# Altium PCB BE200.PcbDoc (part 4 of 6) (continued)
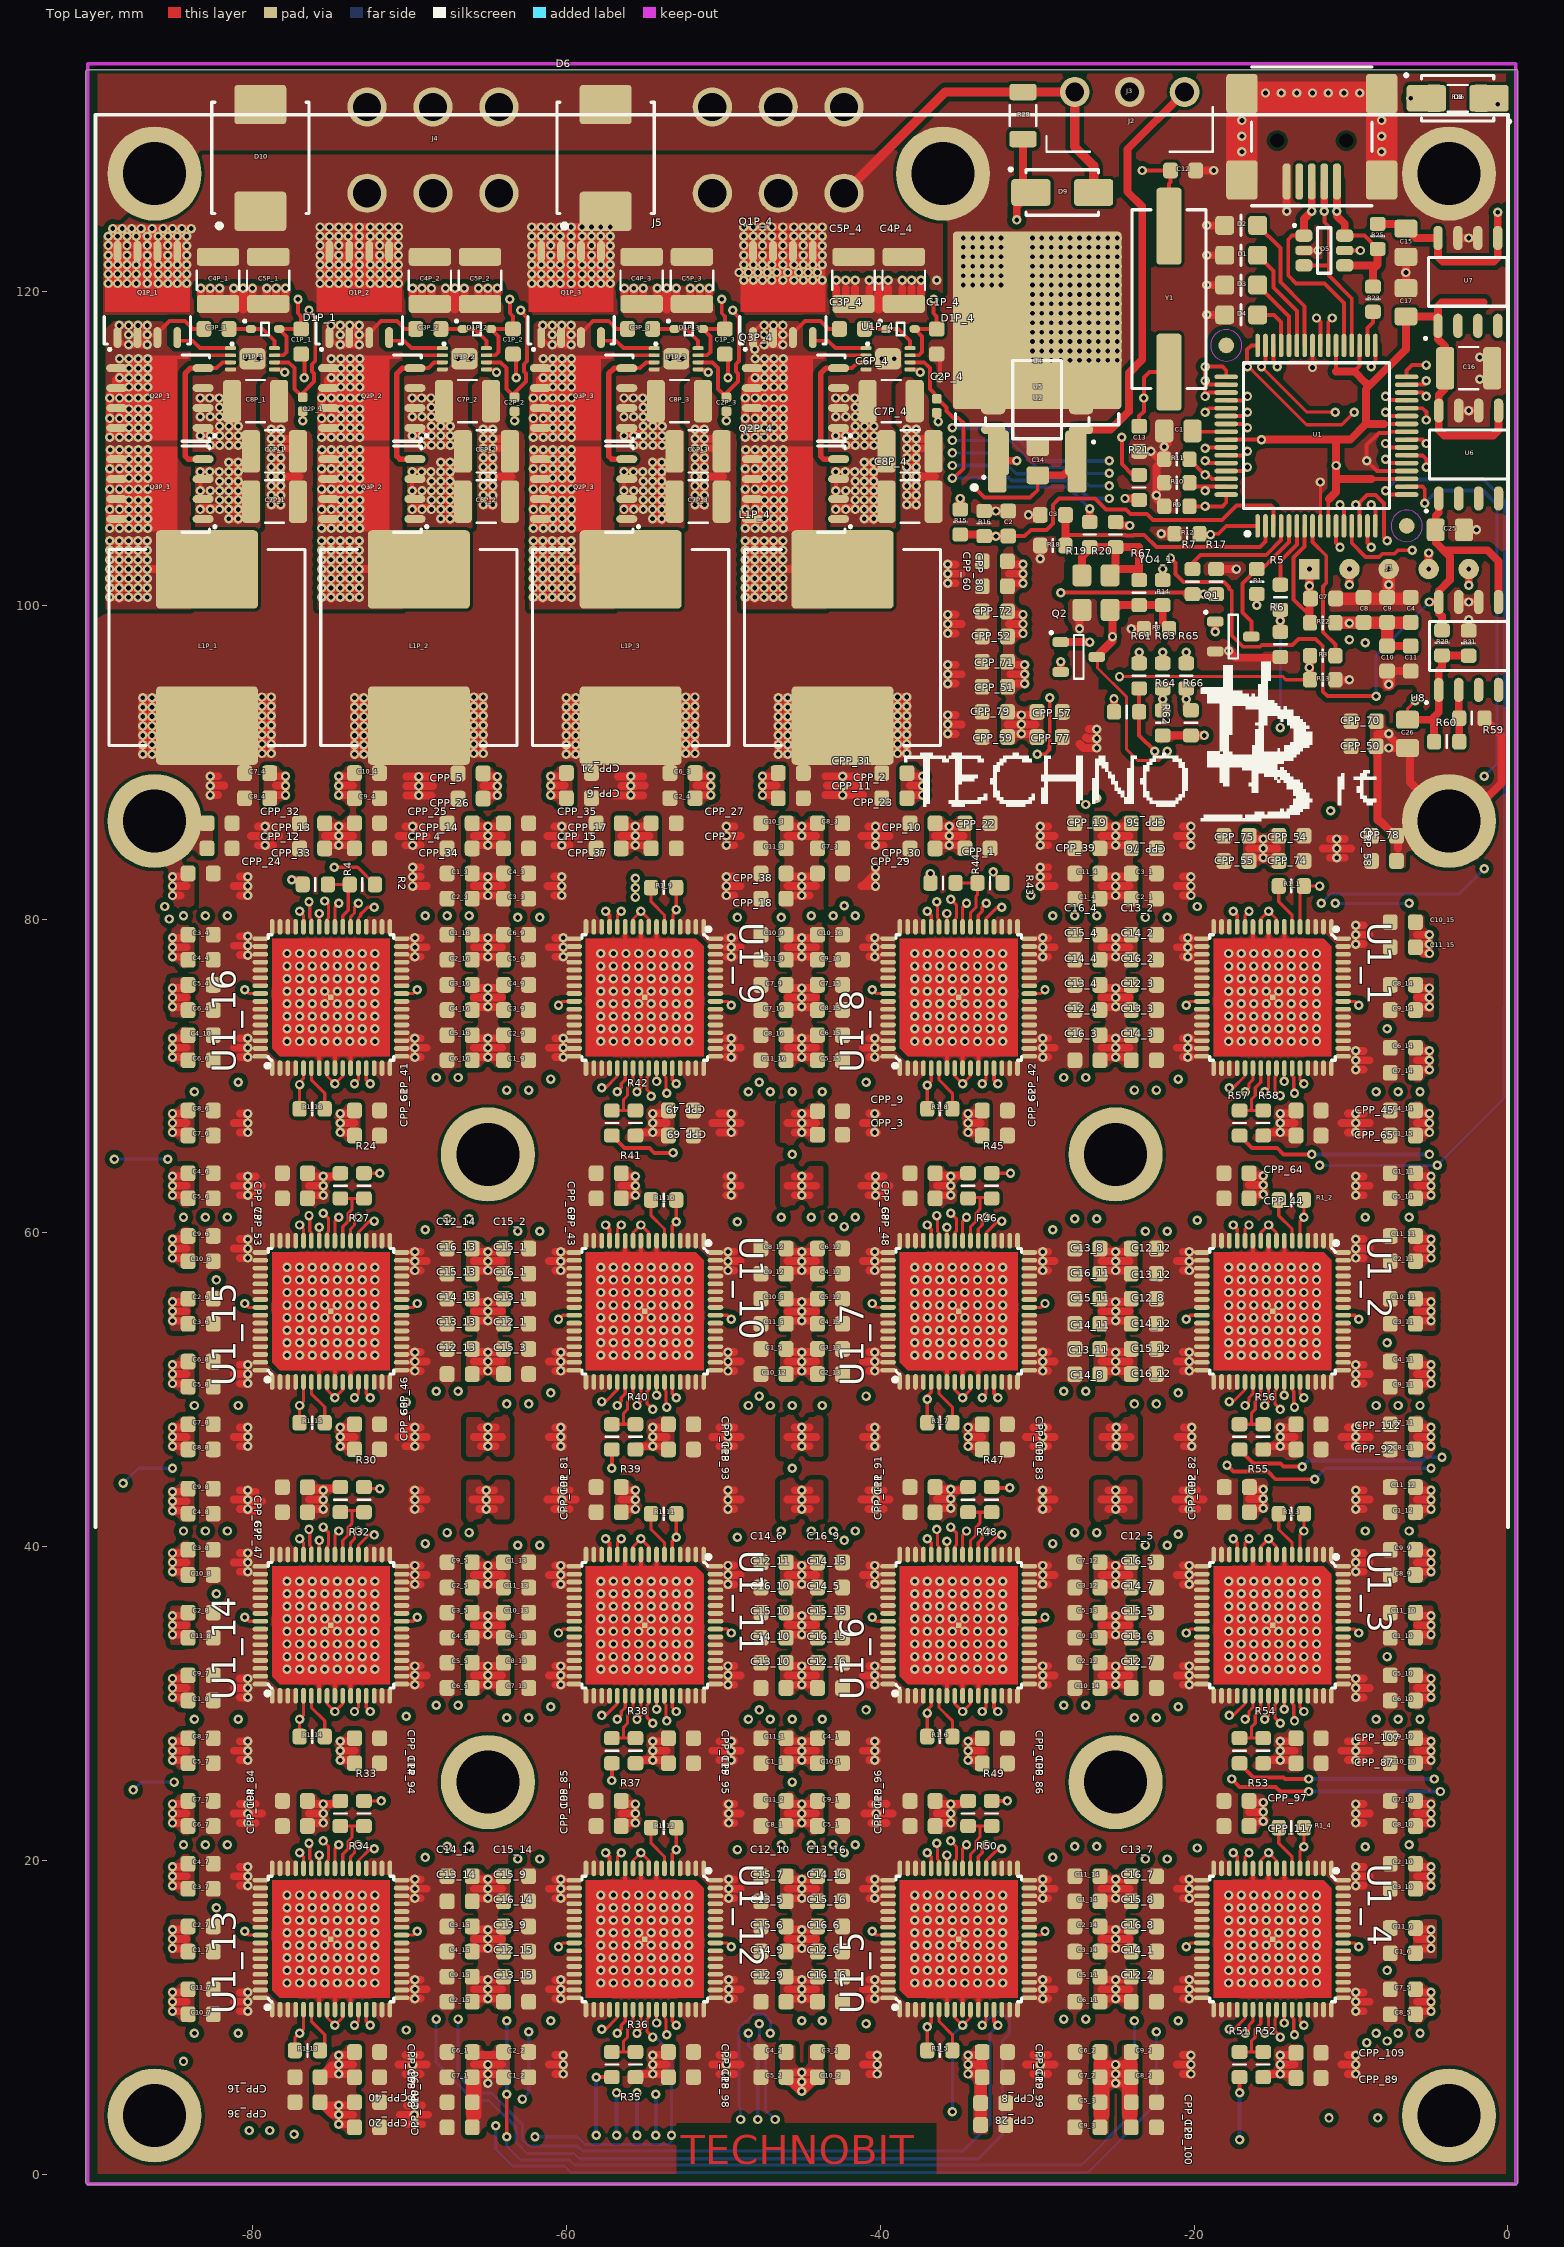
[diagram p0: Top Layer view]
## Nets (pads, with @x,y where several pads share a name; then routed paths per layer and width w, separated by ;. In a path a pad name is that pad's centre, name@x,y a point inside that pad or via, vN(x,y) a via of type N, cw(c..) or ccw(c..) an arc to the next point about the centre after c; other vN are vias at no path point) (continued)
  Top Layer w0.5: v1(-85.1,10.4) -84.6,10.4 ; v1(-85.1,11) -84.2,11 ; v1(-85.1,11.6) -84.6,11.6 ; v1(-85.1,14.4) -84.6,14.4 ; v1(-85.1,15) -84.2,15 ; v1(-85.1,15.6) -84.6,15.6 ; v1(-85.1,18.4) -84.6,18.4 ; v1(-85.1,19) -84.2,19 ; v1(-85.1,19.6) -84.6,19.6 ; v1(-85.1,22.4) -84.6,22.4 ; v1(-85.1,23) -84.2,23 ; v1(-85.1,23.6) -84.6,23.6 ; v1(-85.1,26.4) -84.6,26.4 ; v1(-85.1,27) -84.2,27 ; v1(-85.1,27.6) -84.6,27.6 ; v1(-85.1,30.4) -84.6,30.4 ; v1(-85.1,31) -84.2,31 ; v1(-85.1,31.6) -84.6,31.6 ; v1(-85.1,34.4) -84.6,34.4 ; v1(-85.1,35) -84.2,35 ; v1(-85.1,35.6) -84.6,35.6 ; v1(-85.1,38.4) -84.6,38.4 ; v1(-85.1,39) -84.2,39 ; v1(-85.1,39.6) -84.6,39.6 ; v1(-85.1,42.3) -84.6,42.3 ; v1(-85.1,42.9) -84.2,42.9 ; v1(-85.1,43.5) -84.6,43.5 ; v1(-85.1,46.4) -84.6,46.4 ; v1(-85.1,47) -84.2,47 ; v1(-85.1,47.6) -84.6,47.6 ; v1(-85.1,50.4) -84.6,50.4 ; v1(-85.1,51) -84.2,51 ; v1(-85.1,51.6) -84.6,51.6 ; v1(-85.1,54.4) -84.6,54.4 ; v1(-85.1,55) -84.2,55 ; v1(-85.1,55.6) -84.6,55.6 ; v1(-85.1,58.4) -84.6,58.4 ; v1(-85.1,59) -84.2,59 ; v1(-85.1,59.6) -84.6,59.6 ; v1(-85.1,62.4) -84.6,62.4 ; v1(-85.1,63) -84.2,63 ; v1(-85.1,63.6) -84.6,63.6 ; v1(-85.1,66.4) -84.6,66.4 ; v1(-85.1,67) -84.2,67 ; v1(-85.1,67.6) -84.6,67.6 ; v1(-85.1,71.2) -84.6,71.2 ; v1(-85.1,71.8) -84.2,71.8 ; v1(-85.1,72.4) -84.6,72.4 ; v1(-85.1,74.4) -84.6,74.4 ; v1(-85.1,75) -84.2,75 ; v1(-85.1,75.6) -84.6,75.6 ; v1(-85.1,77.6) -84.6,77.6 ; v1(-85.1,78.2) -84.2,78.2 ; v1(-85.1,78.8) -84.6,78.8 ; v1(-85.1,81.5) -84.6,81.5 ; v1(-85.1,82.1) -84.2,82.1 ; v1(-85.1,82.7) -84.6,82.7 ; v1@-83.325,106.2 v1@-82.1,106.2 ; v1@-83.325,110.9 v1@-82.1,110.9 ; C4P_1.2@-83.3,119.7 v1(-83.3,120.2) ; v1(-82.7,110.2) v1(-82.1,110.2) ; C4P_1.2@-82.7,119.3 v1(-82.7,120.2) ; C4P_1.2@-82.1,119.7 v1(-82.1,120.2) ; v1(-81.513,105.5) v1(-80.913,105.5) ; v1(-81.513,106.1) v1(-80.913,106.1) ; v1(-81.513,106.7) v1(-80.913,106.7) ; v1(-81.513,107.3) C7P_1.2@-80.3,107.3 ; v1(-81.513,107.9) v1(-80.913,107.9) ; v1(-81.513,108.5) v1(-80.913,108.5) ; v1(-81.513,109.1) v1(-80.913,109.1) v1@-80.913,105.4 ; v1(-81.5,110.2) v1(-80.9,110.2) ; v1(-81.5,110.8) v1(-80.9,110.8) ; v1(-81.5,111.4) v1(-80.9,111.4) ; C4P_1.2@-81.2,119.7 v1(-81.2,120.2) ; C5P_1.2@-80,119.7 v1(-80,120.2) ; C5P_1.2@-79.1,119.7 v1(-79.1,120.2) ; C8_4.1@-79,87.9 v1(-77.9,87.9) ; C7_4.1@-78.9,89.1 v1(-77.9,89.1) ; -78.5,88.5 v1(-77.9,88.5) ; C5P_1.2@-78.5,119.3 v1(-78.5,120.2) ; C5P_1.2@-77.9,119.7 v1(-77.9,120.2) ; v1@-77.4,82.5 R4.1@-76.8,82.5 ; -76.4,23 v1(-75.5,23) ; -76.4,43 v1(-75.5,43) ; -76.4,63 v1(-75.5,63) ; -76,22.4 v1(-75.5,22.4) ; -76,23.6 R34.1@-74.4,23.6 ; -76,42.4 v1(-75.5,42.4) ; -76,43.6 v1(-75.5,43.6) ; -76,43.7 R32.1@-74.4,43.7 ; -76,62.4 v1(-75.5,62.4) ; CPP_36.1@-75.7,4.599 -74.901,3.8 v1(-74.5,3.8) -73.6,3.8 ; CPP_16.1@-75.7,6.199 CPP_16.1@-75.499,6.4 ; v1(-75.5,63.6) -76,63.6 R27.1@-74.4,63.6 ; -75.401,85.3 v1(-74.501,85.3) -73.601,85.3 ; CPP_36.1@-75.301,4.4 v1(-74.5,4.4) -74,4.4 ; CPP_33.1@-74.951,84.7 -74.001,84.7 ; CPP_13.1@-74.951,85.9 -74.001,85.9 ; v1(-74.5,3.2) -74,3.2 ; v1(-74.5,7.6) -74,7.6 ; v1(-74.5,87.9) -74,87.9 ; v1(-74.5,88.5) -73.6,88.5 ; v1(-74.5,89.1) -74,89.1 ; v1(-74.4,26.4) CPP_94.1@-73.9,26.4 ; v1(-74.4,27) -73.5,27 ; v1(-74.4,27.6) CPP_114.1@-73.9,27.6 ; v1(-74.4,46.4) CPP_66.1@-73.9,46.4 ; v1(-74.4,47) -73.5,47 ; v1(-74.4,47.6) CPP_46.1@-73.9,47.6 ; v1(-74.4,66.4) CPP_61.1@-73.9,66.4 ; v1(-74.4,67) -73.5,67 ; v1(-74.4,67.6) CPP_41.1@-73.9,67.6 ; -74,6.4 v1(-74.5,6.4) CPP_16.1@-75.499,6.4 ; -73.6,7 v1(-74.5,7) -74.55,6.95 -74.949,6.95 CPP_16.1@-75.499,6.4 ; v1@-69.825,106.2 v1@-68.6,106.2 ; v1@-69.825,110.9 v1@-68.6,110.9 ; C4P_2.2@-69.8,119.7 v1(-69.8,120.2) ; v1(-69.2,110.2) v1(-68.6,110.2) ; C4P_2.2@-69.2,119.3 v1(-69.2,120.2) ; C4P_2.2@-68.6,119.7 v1(-68.6,120.2) ; v1(-68.013,105.5) v1(-67.413,105.5) ; v1(-68.013,106.1) v1(-67.413,106.1) ; v1(-68.013,106.7) v1(-67.413,106.7) ; v1(-68.013,107.3) C6P_2.2@-66.8,107.3 ; v1(-68.013,107.9) v1(-67.413,107.9) ; v1(-68.013,108.5) v1(-67.413,108.5) ; v1(-68.013,109.1) v1(-67.413,109.1) v1@-67.413,105.4 ; v1(-68,110.2) v1(-67.4,110.2) ; v1(-68,110.8) v1(-67.4,110.8) ; v1(-68,111.4) v1(-67.4,111.4) ; C4P_2.2@-67.7,119.7 v1(-67.7,120.2) ; C5P_2.2@-66.5,119.7 v1(-66.5,120.2) ; -65.9,11.8 v1(-65,11.8) -64.1,11.8 ; -65.9,15 v1(-65,15) -64.1,15 ; -65.9,18.2 v1(-65,18.2) -64.1,18.2 ; -65.9,51.8 v1(-65,51.8) -64.1,51.8 ; -65.9,55 v1(-65,55) -64.1,55 ; -65.9,58.2 v1(-65,58.2) -64.1,58.2 ; -65.9,71.8 v1(-65,71.8) -64.1,71.8 ; -65.9,75 v1(-65,75) -64.1,75 ; -65.9,78.2 v1(-65,78.2) -64.1,78.2 ; -65.9,85.3 v1(-65,85.3) -64.1,85.3 ; -65.9,7 v1(-65,7) -64.1,7 ; -65.9,31.8 v1(-65,31.8) -64.1,31.8 ; -65.9,35 v1(-65,35) -64.1,35 ; -65.9,38.2 v1(-65,38.2) -64.1,38.2 ; -65.899,82.1 v1(-64.999,82.1) -64.099,82.1 ; C5P_2.2@-65.6,119.7 v1(-65.6,120.2) ; -65.45,6.4 v1(-65,6.4) -64.5,6.4 ; -65.45,7.6 -64.5,7.6 ; -65.45,11.2 -64.5,11.2 ; -65.45,12.4 -64.5,12.4 ; -65.45,14.4 -64.5,14.4 ; -65.45,15.6 -64.5,15.6 ; -65.45,17.6 -64.5,17.6 ; -65.45,18.8 -64.5,18.8 ; -65.45,31.2 -64.5,31.2 ; -65.45,32.4 -64.5,32.4 ; -65.45,34.4 -64.5,34.4 ; -65.45,35.6 -64.5,35.6 ; -65.45,37.6 -64.5,37.6 ; -65.45,38.8 -64.5,38.8 ; -65.45,51.2 -64.5,51.2 ; -65.45,52.4 -64.5,52.4 ; -65.45,54.4 -64.5,54.4 ; -65.45,55.6 -64.5,55.6 ; -65.45,57.6 -64.5,57.6 ; -65.45,58.8 -64.5,58.8 ; -65.45,71.2 -64.5,71.2 ; -65.45,72.4 -64.5,72.4 ; -65.45,74.4 -64.5,74.4 ; -65.45,75.6 -64.5,75.6 ; -65.45,77.6 -64.5,77.6 ; -65.45,78.8 -64.5,78.8 ; -65.45,81.5 -64.499,81.5 ; -65.45,82.7 -64.499,82.7 ; -65.45,84.7 -64.5,84.7 ; -65.45,85.9 -64.5,85.9 ; -65.3,88.477 v1(-64.4,88.477) ; C5P_2.2@-65,119.3 v1(-65,120.2) ; CPP_26.1@-64.85,87.877 v1(-64.4,87.877) ; CPP_5.1@-64.85,89.077 v1(-64.4,89.077) ; C5P_2.2@-64.4,119.7 v1(-64.4,120.2) ; v1(-61.001,88.5) -60.101,88.5 ; v1(-61.001,87.9) -60.501,87.9 ; v1(-61.001,89.1) -60.501,89.1 ; -56.5,23 v1(-55.6,23) ; -56.5,43 v1(-55.6,43) ; -56.5,63 v1(-55.6,63) ; -56.5,85.3 v1(-55.6,85.3) -54.7,85.3 ; v1@-56.325,106.2 v1@-55.1,106.2 ; v1@-56.325,110.9 v1@-55.1,110.9 ; C4P_3.2@-56.3,119.7 v1(-56.3,120.2) ; CPP_105.1@-56.1,22.4 v1(-55.6,22.4) ; CPP_85.1@-56.1,23.6 v1(-55.6,23.6) ; CPP_101.1@-56.1,42.4 v1(-55.6,42.4) ; CPP_81.1@-56.1,43.6 v1(-55.6,43.6) ; CPP_43.1@-56.1,62.4 v1(-55.6,62.4) ; CPP_63.1@-56.1,63.6 v1(-55.6,63.6) ; CPP_37.1@-56.05,84.7 -55.1,84.7 ; CPP_17.1@-56.05,85.9 -55.1,85.9 ; v1(-55.7,110.2) v1(-55.1,110.2) ; C4P_3.2@-55.7,119.3 v1(-55.7,120.2) ; R36.1@-55.6,6.4 -54,6.4 ; R38.1@-55.6,26.4 -54,26.4 v1(-54.5,26.4) ; R40.1@-55.6,46.4 -54,46.4 ; R42.1@-55.6,66.4 -54,66.4 ; C4P_3.2@-55.1,119.7 v1(-55.1,120.2) ; v1(-54.513,105.5) v1(-53.913,105.5) ; v1(-54.513,106.1) v1(-53.913,106.1) ; v1(-54.513,106.7) v1(-53.913,106.7) ; v1(-54.513,107.3) C7P_3.2@-53.3,107.3 ; v1(-54.513,107.9) v1(-53.913,107.9) ; v1(-54.513,108.5) v1(-53.913,108.5) ; v1(-54.513,109.1) v1(-53.913,109.1) v1@-53.913,105.4 ; v1(-54.5,7) -53.6,7 ; v1(-54.5,7.6) -54,7.6 ; v1(-54.5,27) -53.6,27 ; v1(-54.5,27.6) -54,27.6 ; v1(-54.5,47) -53.6,47 ; v1(-54.5,47.6) -54,47.6 ; v1(-54.5,67) -53.6,67 ; v1(-54.5,67.6) -54,67.6 ; v1(-54.5,110.2) v1(-53.9,110.2) ; v1(-54.5,110.8) v1(-53.9,110.8) ; v1(-54.5,111.4) v1(-53.9,111.4) ; C4P_3.2@-54.2,119.7 v1(-54.2,120.2) ; C5P_3.2@-53,119.7 v1(-53,120.2) ; C5P_3.2@-52.1,119.7 v1(-52.1,120.2) ; -51.7,88.5 v1(-50.8,88.5) ; C2_4.1@-51.6,87.9 v1(-50.8,87.9) ; C6_3.1@-51.601,89.1 v1(-50.8,89.1) ; C5P_3.2@-51.5,119.3 v1(-51.5,120.2) ; C5P_3.2@-50.9,119.7 v1(-50.9,120.2) ; v1(-47.5,87.9) -47,87.9 ; v1(-47.5,88.5) -46.6,88.5 ; v1(-47.5,89.1) -47,89.1 ; C5_2.1@-46,6.2 C5_2.1@-45.7,5.9 ; C5_2.1@-45.9,5.9 C5_2.1@-45.7,5.9 ; -45.9,67 v1(-45,67) -44.1,67 ; -45.9,71.8 v1(-45,71.8) -44.1,71.8 ; -45.9,75 v1(-45,75) -44.1,75 ; -45.9,78.2 v1(-45,78.2) -44.1,78.2 ; -45.9,82.1 v1(-45,82.1) -44.1,82.1 ; -45.9,11.8 v1(-45,11.8) -44.1,11.8 ; -45.9,15 v1(-45,15) -44.1,15 ; -45.9,18.2 v1(-45,18.2) -44.1,18.2 ; -45.9,23 v1(-45,23) -44.1,23 ; -45.9,27 v1(-45,27) -44.1,27 ; -45.9,31.8 v1(-45,31.8) -44.1,31.8 ; -45.9,35 v1(-45,35) -44.1,35 ; -45.9,38.2 v1(-45,38.2) -44.1,38.2 ; -45.9,51.8 v1(-45,51.8) -44.1,51.8 ; -45.9,55 v1(-45,55) -44.1,55 ; -45.9,58.2 v1(-45,58.2) -44.1,58.2 ; -45.9,85.3 v1(-45,85.3) -44.1,85.3 ; -45.5,6.5 C10_2.1@-44.4,6.5 ; -45.45,11.2 -44.5,11.2 ; -45.45,12.4 -44.5,12.4 ; -45.45,14.4 -44.5,14.4 ; -45.45,15.6 -44.5,15.6 ; -45.45,17.6 -44.5,17.6 ; -45.45,18.8 -44.5,18.8 ; -45.45,22.4 -44.5,22.4 ; -45.45,23.6 -44.5,23.6 ; -45.45,26.4 -44.5,26.4 ; -45.45,27.6 -44.5,27.6 ; -45.45,31.2 -44.5,31.2 ; -45.45,32.4 -44.5,32.4 ; -45.45,34.4 -44.5,34.4 ; -45.45,35.6 -44.5,35.6 ; -45.45,37.6 -44.5,37.6 ; -45.45,38.8 -44.5,38.8 ; -45.45,51.2 -44.5,51.2 ; -45.45,52.4 -44.5,52.4 ; -45.45,54.4 -44.5,54.4 ; -45.45,55.6 -44.5,55.6 ; -45.45,57.6 -44.5,57.6 ; -45.45,58.8 -44.5,58.8 ; -45.45,66.4 -44.5,66.4 ; -45.45,67.6 -44.5,67.6 ; -45.45,71.2 -44.5,71.2 ; -45.45,72.4 -44.5,72.4 ; -45.45,74.4 -44.5,74.4 ; -45.45,75.6 -44.5,75.6 ; -45.45,77.6 -44.5,77.6 ; -45.45,78.8 -44.5,78.8 ; -45.45,81.5 -44.5,81.5 ; -45.45,82.7 -44.5,82.7 ; -45.45,85.9 -44.5,85.9 ; C10_2.1@-44.2,5.9 C5_2.1@-45.7,5.9 ; C10_2.1@-44,6.2 -44.9,5.3 v1(-45,5.3) -45.1,5.3 C5_2.1@-45.7,5.9 ; v1@-42.825,106.2 v1@-41.6,106.2 ; v1@-42.825,110.9 v1@-41.6,110.9 ; C5P_4.2@-42.8,119.7 -42.8,120.2 ; v1(-42.2,110.2) v1(-41.6,110.2) ; C5P_4.2@-42.2,119.3 -42.2,120.2 ; C5P_4.2@-41.6,119.7 -41.6,120.2 ; v1(-41.013,105.5) v1(-40.413,105.5) ; v1(-41.013,106.1) v1(-40.413,106.1) ; v1(-41.013,106.7) v1(-40.413,106.7) ; v1(-41.013,107.3) C8P_4.2@-39.8,107.3 ; v1(-41.013,107.9) v1(-40.413,107.9) ; v1(-41.013,108.5) v1(-40.413,108.5) ; v1(-41.013,109.1) v1(-40.413,109.1) v1@-40.413,105.4 ; v1(-41,110.2) v1(-40.4,110.2) ; v1(-41,110.8) v1(-40.4,110.8) ; v1(-41,111.4) v1(-40.4,111.4) ; C5P_4.2@-40.7,119.7 -40.7,120.2 ; C4P_4.2@-39.5,119.7 -39.5,120.2 ; C4P_4.2@-38.6,119.7 -38.6,120.2 ; CPP_23.1@-38.1,87.9 v1@-37.4,87.9 ; -38.1,88.5 v1@-37.4,88.5 ; C4P_4.2@-38,119.3 -38,120.2 ; CPP_2.1@-37.85,89.1 v1@-37.35,89.1 ; C4P_4.2@-37.4,119.7 -37.4,120.2 ; R44.1@-36.8,82.2 v1@-36.8,82.8 ; -36.5,85.3 -36.4,85.3 v1(-35.6,85.3) -34.7,85.3 ; -36.4,23 v1(-35.5,23) ; -36.4,43.05 v1(-35.5,43.05) ; -36.4,63 v1(-35.5,63) ; CPP_30.1@-36.05,84.7 v1(-35.6,84.7) -35.1,84.7 ; CPP_10.1@-36.05,85.9 -35.1,85.9 ; -36,22.4 v1(-35.5,22.4) ; -36,23.6 R50.1@-34.4,23.6 ; -36,42.45 v1(-35.5,42.45) ; -36,43.6 R48.1@-34.4,43.6 ; -36,43.65 v1(-35.5,43.65) ; -36,62.4 v1(-35.5,62.4) ; -36,63.6 v1(-35.5,63.6) ; -36,63.65 R46.1@-34.4,63.65 ; U4.2@-34.7,115.6 U4.2@-32.275,115.6 ; U4.2@-34.7,116.2 U4.2@-32.275,116.2 ; U4.2@-34.7,116.8 U4.2@-32.275,116.8 ; U4.2@-34.7,117.4 U4.2@-32.275,117.4 ; U4.2@-34.7,118 U4.2@-32.275,118 ; U4.2@-34.7,118.6 U4.2@-32.275,118.6 ; U4.2@-34.7,119.2 U4.2@-32.275,119.2 ; U4.2@-34.7,119.8 U4.2@-32.275,119.8 ; v1(-34.7,120.4) U4.2@-32.275,120.4 ; v1(-34.7,121) U4.2@-32.275,121 ; v1(-34.7,121.6) U4.2@-32.275,121.6 ; v1(-34.7,122.2) U4.2@-32.275,122.2 ; v1(-34.7,122.8) U4.2@-32.275,122.8 ; v1(-34.7,123.4) U4.2@-32.275,123.4 ; v1@-34.5,66.4 -34,66.4 ; v1@-34.5,67 -33.6,67 ; v1@-34.5,67.6 -34,67.6 ; v1(-34.4,6.4) CPP_99.1@-33.9,6.4 ; v1(-34.4,7) -33.6,7 -33.5,7 ; v1(-34.4,7.6) CPP_119.1@-33.9,7.6 ; v1(-34.4,26.4) CPP_86.1@-33.9,26.4 ; v1(-34.4,27) -33.5,27 ; v1(-34.4,27.6) CPP_106.1@-33.9,27.6 ; v1(-34.4,46.4) CPP_83.1@-33.9,46.4 ; v1(-34.4,47) -33.5,47 ; v1(-34.4,47.6) CPP_103.1@-33.9,47.6 ; U4.2@-34.1,115.5 U4.2@-34.1,119.2 ; U4.2@-34.1,119.7 v1(-34.1,123.4) ; R16.1@-33.375,106 v1(-32.625,106) C2.2@-31.875,106 ; -31.9,92.4 v1(-31,92.4) -30.1,92.4 ; -31.8,98.8 v1(-30.9,98.8) ; -31.8,102 v1(-30.9,102) ; -31.7,95.6 v1(-30.8,95.6) ; CPP_59.1@-31.45,91.8 -30.5,91.8 ; CPP_79.1@-31.45,93 -30.5,93 ; -31.4,98.2 v1(-30.9,98.2) ; -31.4,99.4 v1(-30.9,99.4) ; -31.4,101.4 v1(-30.9,101.4) ; -31.4,102.6 v1(-30.9,102.6) ; -31.3,95 v1(-30.8,95) ; -31.3,96.2 v1(-30.8,96.2) ; v1(-30.55,105.75) C3.2@-29.8,105.75 ; v1(-30.3,115.6) U4.2@-27.875,115.6 ; v1(-30.3,116.2) U4.2@-27.875,116.2 ; v1(-30.3,116.8) U4.2@-27.875,116.8 ; v1(-30.3,117.4) U4.2@-27.875,117.4 ; v1(-30.3,118) U4.2@-27.875,118 ; v1(-30.3,118.6) U4.2@-27.875,118.6 ; v1(-30.3,119.2) U4.2@-27.875,119.2 ; v1(-30.3,119.8) U4.2@-27.875,119.8 ; v1(-30.3,120.4) U4.2@-27.875,120.4 ; v1(-30.3,121) U4.2@-27.875,121 ; v1(-30.3,121.6) U4.2@-27.875,121.6 ; v1(-30.3,122.2) U4.2@-27.875,122.2 ; v1(-30.3,122.8) U4.2@-27.875,122.8 ; v1(-30.3,123.4) U4.2@-27.875,123.4 ; U4.2@-29.7,115.5 v1(-29.7,119.2) ; U4.2@-29.7,119.7 v1(-29.7,123.4) ; Q2.2@-28.5,95.75 v1(-28.5,96.4) ; v1(-27.3,98.5) YO4_1.2@-27.3,99.55 ; v1(-27.3,115.6) U4.2@-24.875,115.6 ; v1(-27.3,116.2) U4.2@-24.875,116.2 ; v1(-27.3,116.8) U4.2@-24.875,116.8 ; v1(-27.3,117.4) U4.2@-24.875,117.4 ; v1(-27.3,118) U4.2@-24.875,118 ; v1(-27.3,118.6) U4.2@-24.875,118.6 ; v1(-27.3,119.2) U4.2@-24.875,119.2 ; v1(-27.3,119.8) U4.2@-24.875,119.8 ; v1(-27.3,120.4) U4.2@-24.875,120.4 ; v1(-27.3,121) U4.2@-24.875,121 ; v1(-27.3,121.6) U4.2@-24.875,121.6 ; v1(-27.3,122.2) U4.2@-24.875,122.2 ; v1(-27.3,122.8) U4.2@-24.875,122.8 ; v1(-27.3,123.4) U4.2@-24.875,123.4 ; U4.2@-26.7,115.5 v1(-26.7,119.2) ; U4.2@-26.7,119.7 v1(-26.7,123.4) ; -25.9,7 v1(-25,7) -24.1,7 ; -25.9,31.8 v1(-25,31.8) -24.1,31.8 ; -25.9,35 v1(-25,35) -24.1,35 ; -25.9,38.2 v1(-25,38.2) -24.1,38.2 ; -25.9,51.8 v1(-25,51.8) -24.1,51.8 ; -25.9,55 v1(-25,55) -24.1,55 ; -25.9,58.2 v1(-25,58.2) -24.1,58.2 ; -25.9,82.1 v1(-25,82.1) -24.1,82.1 ; -25.9,11.8 v1(-25,11.8) -24.1,11.8 ; -25.9,15 v1(-25,15) -24.1,15 ; -25.9,18.2 v1(-25,18.2) -24.1,18.2 ; -25.9,71.8 v1(-25,71.8) -24.1,71.8 ; -25.9,75 v1(-25,75) -24.1,75 ; -25.9,78.2 v1(-25,78.2) -24.1,78.2 ; -25.9,85.3 v1(-25,85.3) -24.1,85.3 ; -25.45,5.8 v1(-25,5.8) -24.5,5.8 ; -25.45,6.4 v1(-25,6.4) -24.5,6.4 ; -25.45,11.2 -24.5,11.2 ; -25.45,12.4 -24.5,12.4 ; -25.45,14.4 -24.5,14.4 ; -25.45,15.6 -24.5,15.6 ; -25.45,17.6 -24.5,17.6 ; -25.45,18.8 -24.5,18.8 ; -25.45,31.2 -24.5,31.2 ; -25.45,32.4 -24.5,32.4 ; -25.45,34.4 -24.5,34.4 ; -25.45,35.6 -24.5,35.6 ; -25.45,37.6 -24.5,37.6 ; -25.45,38.8 -24.5,38.8 ; -25.45,51.2 -24.5,51.2 ; -25.45,52.4 -24.5,52.4 ; -25.45,54.4 -24.5,54.4 ; -25.45,55.6 -24.5,55.6 ; -25.45,57.6 -24.5,57.6 ; -25.45,58.8 -24.5,58.8 ; -25.45,71.2 -24.5,71.2 ; -25.45,72.4 -24.5,72.4 ; -25.45,74.4 -24.5,74.4 ; -25.45,75.6 -24.5,75.6 ; -25.45,77.6 -24.5,77.6 ; -25.45,78.8 -24.5,78.8 ; -25.45,81.5 -24.5,81.5 ; -25.45,82.7 -24.5,82.7 ; -25.45,84.7 -24.5,84.7 ; -25.45,85.9 -24.5,85.9 ; R62.1@-25.1,93.2 v1(-25.1,94.025) ; v1(-24,98.5) R8.2@-23.2,98.5 ; C13.2@-23.5,109.8 v1(-22.75,109.8) -22.25,109.3 R11.2@-21.9,109.3 ; v1(-22.1,104.55) R12.1@-21.25,104.55 ; R64.1@-22,91.7 R66.1@-20.2,91.7 v1(-19.35,91.7) ; R9.2@-21.9,106.3 -22.4,106.8 -22.4,108.8 R11.2@-21.9,109.3 ; C1.2@-21.7,111.1 -21.7,110.3 v1(-21.9,110.1) R11.2@-21.9,109.3 ; C12.2@-19.9,127.7 v1(-18.75,127.7) ; v1(-19.2,118.5) D4.1@-18.05,118.5 ; v1(-19.2,120.4) D3.1@-18.05,120.4 ; v1(-19.2,122.3) D1.1@-18.05,122.3 ; v1(-19.2,124.2) D2.1@-18.05,124.2 ; R17.1@-18.6,102.3 v1(-17.3,102.3) ; v1(-17.8,97.1) -17.35,96.65 -14.5,96.65 R6.1@-14.5,96.7 ; -16.5,23.1 v1(-15.6,23.1) ; -16.5,43.05 v1(-15.6,43.05) ; -16.5,63.049 v1(-15.6,63.049) ; -16.5,84.5 v1(-15.6,84.5) -14.7,84.5 ; CPP_117.1@-16.1,22.5 v1(-15.6,22.5) ; CPP_97.1@-16.1,23.7 v1(-15.6,23.7) ; CPP_102.1@-16.1,42.45 v1(-15.6,42.45) ; CPP_82.1@-16.1,43.65 v1(-15.6,43.65) ; CPP_44.1@-16.1,62.449 v1(-15.6,62.449) ; CPP_64.1@-16.1,63.649 v1(-15.6,63.649) ; CPP_55.1@-16.05,83.9 -15.1,83.9 ; CPP_75.1@-16.05,85.1 -15.1,85.1 ; R52.1@-15.6,6.4 -14,6.4 ; R54.1@-15.6,26.4 -14,26.4 ; R56.1@-15.6,46.2 -15.4,46.4 -14,46.4 ; R58.1@-15.6,66.4 -14,66.4 ; v1(-14.5,7) -13.6,7 ; v1(-14.5,7.6) -14,7.6 ; v1(-14.5,27) -13.6,27 ; v1(-14.5,27.6) -14,27.6 ; v1(-14.5,47) -13.6,47 ; v1(-14.5,47.6) -14,47.6 ; v1(-14.5,67) -13.6,67 ; v1(-14.5,67.6) -14,67.6 ; v1@-14.1,125.14 J2.5@-14.1,127.04 ; R13.1@-11,95.25 v1(-10.1,95.25) ; C10.2@-7.7,95.8 C11.2@-6.2,95.8 ; v1@-7.5,90.9 C26.2@-6.8,90.9 ; -7,84.5 -7,85.095 -8.155,86.25 -8.25,86.25 -8.3,86.3 -8.3,91.8 -7.7,91.8 C26.2@-6.8,90.9 ; C17.2@-6.5,120.2 v1(-6.5,121.2) C15.2@-6.5,122.2 ; -5.8,11 v1(-4.9,11) ; -5.8,15 v1(-4.9,15) ; -5.8,19 v1(-4.9,19) ; -5.8,23 v1(-4.9,23) ; -5.8,27 v1(-4.9,27) ; -5.8,31 v1(-4.9,31) ; -5.8,35 v1(-4.9,35) ; -5.8,39 v1(-4.9,39) ; -5.8,43 v1(-4.9,43) ; -5.8,47 v1(-4.9,47) ; -5.8,51 v1(-4.9,51) ; -5.8,55 v1(-4.9,55) ; -5.8,59 v1(-4.9,59) ; -5.8,63 v1(-4.9,63) ; -5.8,67 v1(-5,67) ; -5.8,71 v1(-5,71) ; -5.8,75 v1(-5,75) ; -5.8,79 v1(-5,79) ; -5.4,10.4 v1(-4.9,10.4) ; -5.4,11.6 v1(-4.9,11.6) ; -5.4,14.4 v1(-4.9,14.4) ; -5.4,15.6 v1(-4.9,15.6) ; -5.4,18.4 v1(-4.9,18.4) ; -5.4,19.6 v1(-4.9,19.6) ; -5.4,22.4 v1(-4.9,22.4) ; -5.4,23.6 v1(-4.9,23.6) ; -5.4,26.4 v1(-4.9,26.4) ; -5.4,27.6 v1(-4.9,27.6) ; -5.4,30.4 v1(-4.9,30.4) ; -5.4,31.6 v1(-4.9,31.6) ; -5.4,34.4 v1(-4.9,34.4) ; -5.4,35.6 v1(-4.9,35.6) ; -5.4,38.4 v1(-4.9,38.4) ; -5.4,39.6 v1(-4.9,39.6) ; -5.4,42.4 v1(-4.9,42.4) ; -5.4,43.6 v1(-4.9,43.6) ; -5.4,46.4 v1(-4.9,46.4) ; -5.4,47.6 v1(-4.9,47.6) ; -5.4,50.4 v1(-4.9,50.4) ; -5.4,51.6 v1(-4.9,51.6) ; -5.4,54.4 v1(-4.9,54.4) ; -5.4,55.6 v1(-4.9,55.6) ; -5.4,58.4 v1(-4.9,58.4) ; -5.4,59.6 v1(-4.9,59.6) ; -5.4,62.4 v1(-4.9,62.4) ; -5.4,63.6 v1(-4.9,63.6) ; -5.4,66.4 v1(-5,66.4) ; -5.4,67.6 v1(-5,67.6) ; -5.4,70.4 v1(-5,70.4) ; -5.4,71.6 v1(-5,71.6) ; -5.4,74.4 v1(-5,74.4) ; -5.4,75.6 v1(-5,75.6) ; -5.4,77.8 v1(-5,77.8) ; -5.4,78.4 v1(-5,78.4) ; U7.7@-3.185,123.4 v1(-2.5,123.4) U7.6@-1.915,123.4 ; U8.7@-3.135,100.2 v1(-2.5,100.2) U8.6@-1.865,100.2 ; U6.7@-3.135,112.4 U6.6@-1.865,112.4 ; C25.1@-2.8,104.8 v1(-2,104.8) ; R31.1@-2.5,98.375 v1(-2.5,99.075) ; v1(-1.8,114.4) v1@-1.7,114.4 ; v1(-1.8,115.8) v1@-1.7,115.8 ; R60.1@-1.5,92.8 -0.4,91.7 -0.4,88.675 -2.825,86.25 pad.0@-3.75,86.25 -6.236,88.736 -6.236,90.736 C26.2@-6.4,90.9 C26.2@-6.8,90.9
  Top Layer w0.6: -80.6,118.9 v1(-80.6,120.2) ; -67.1,118.9 v1(-67.1,120.2) ; -53.6,118.9 v1(-53.6,120.2) ; -40.1,118.9 -40.1,120.2 ; J2.9@-8.3,126.89 J2.9@-8.05,127.14